# Altium PCB Tigershark 3D R2.3 - TR.PcbDoc (part 2 of 4)
Units mil, origin at the board's own origin, x right, y up, seen from the top; angles counter-clockwise.
Board outline 4100 x 4050 mil, 4 copper layers (Top Layer, Groun Plane, Power Plane, Bottom Layer), stack 61.73 mil thick; 370 components, 239 nets, 1161 pads, 1014 vias.
Unrouted connection lines stored in the file: 1.
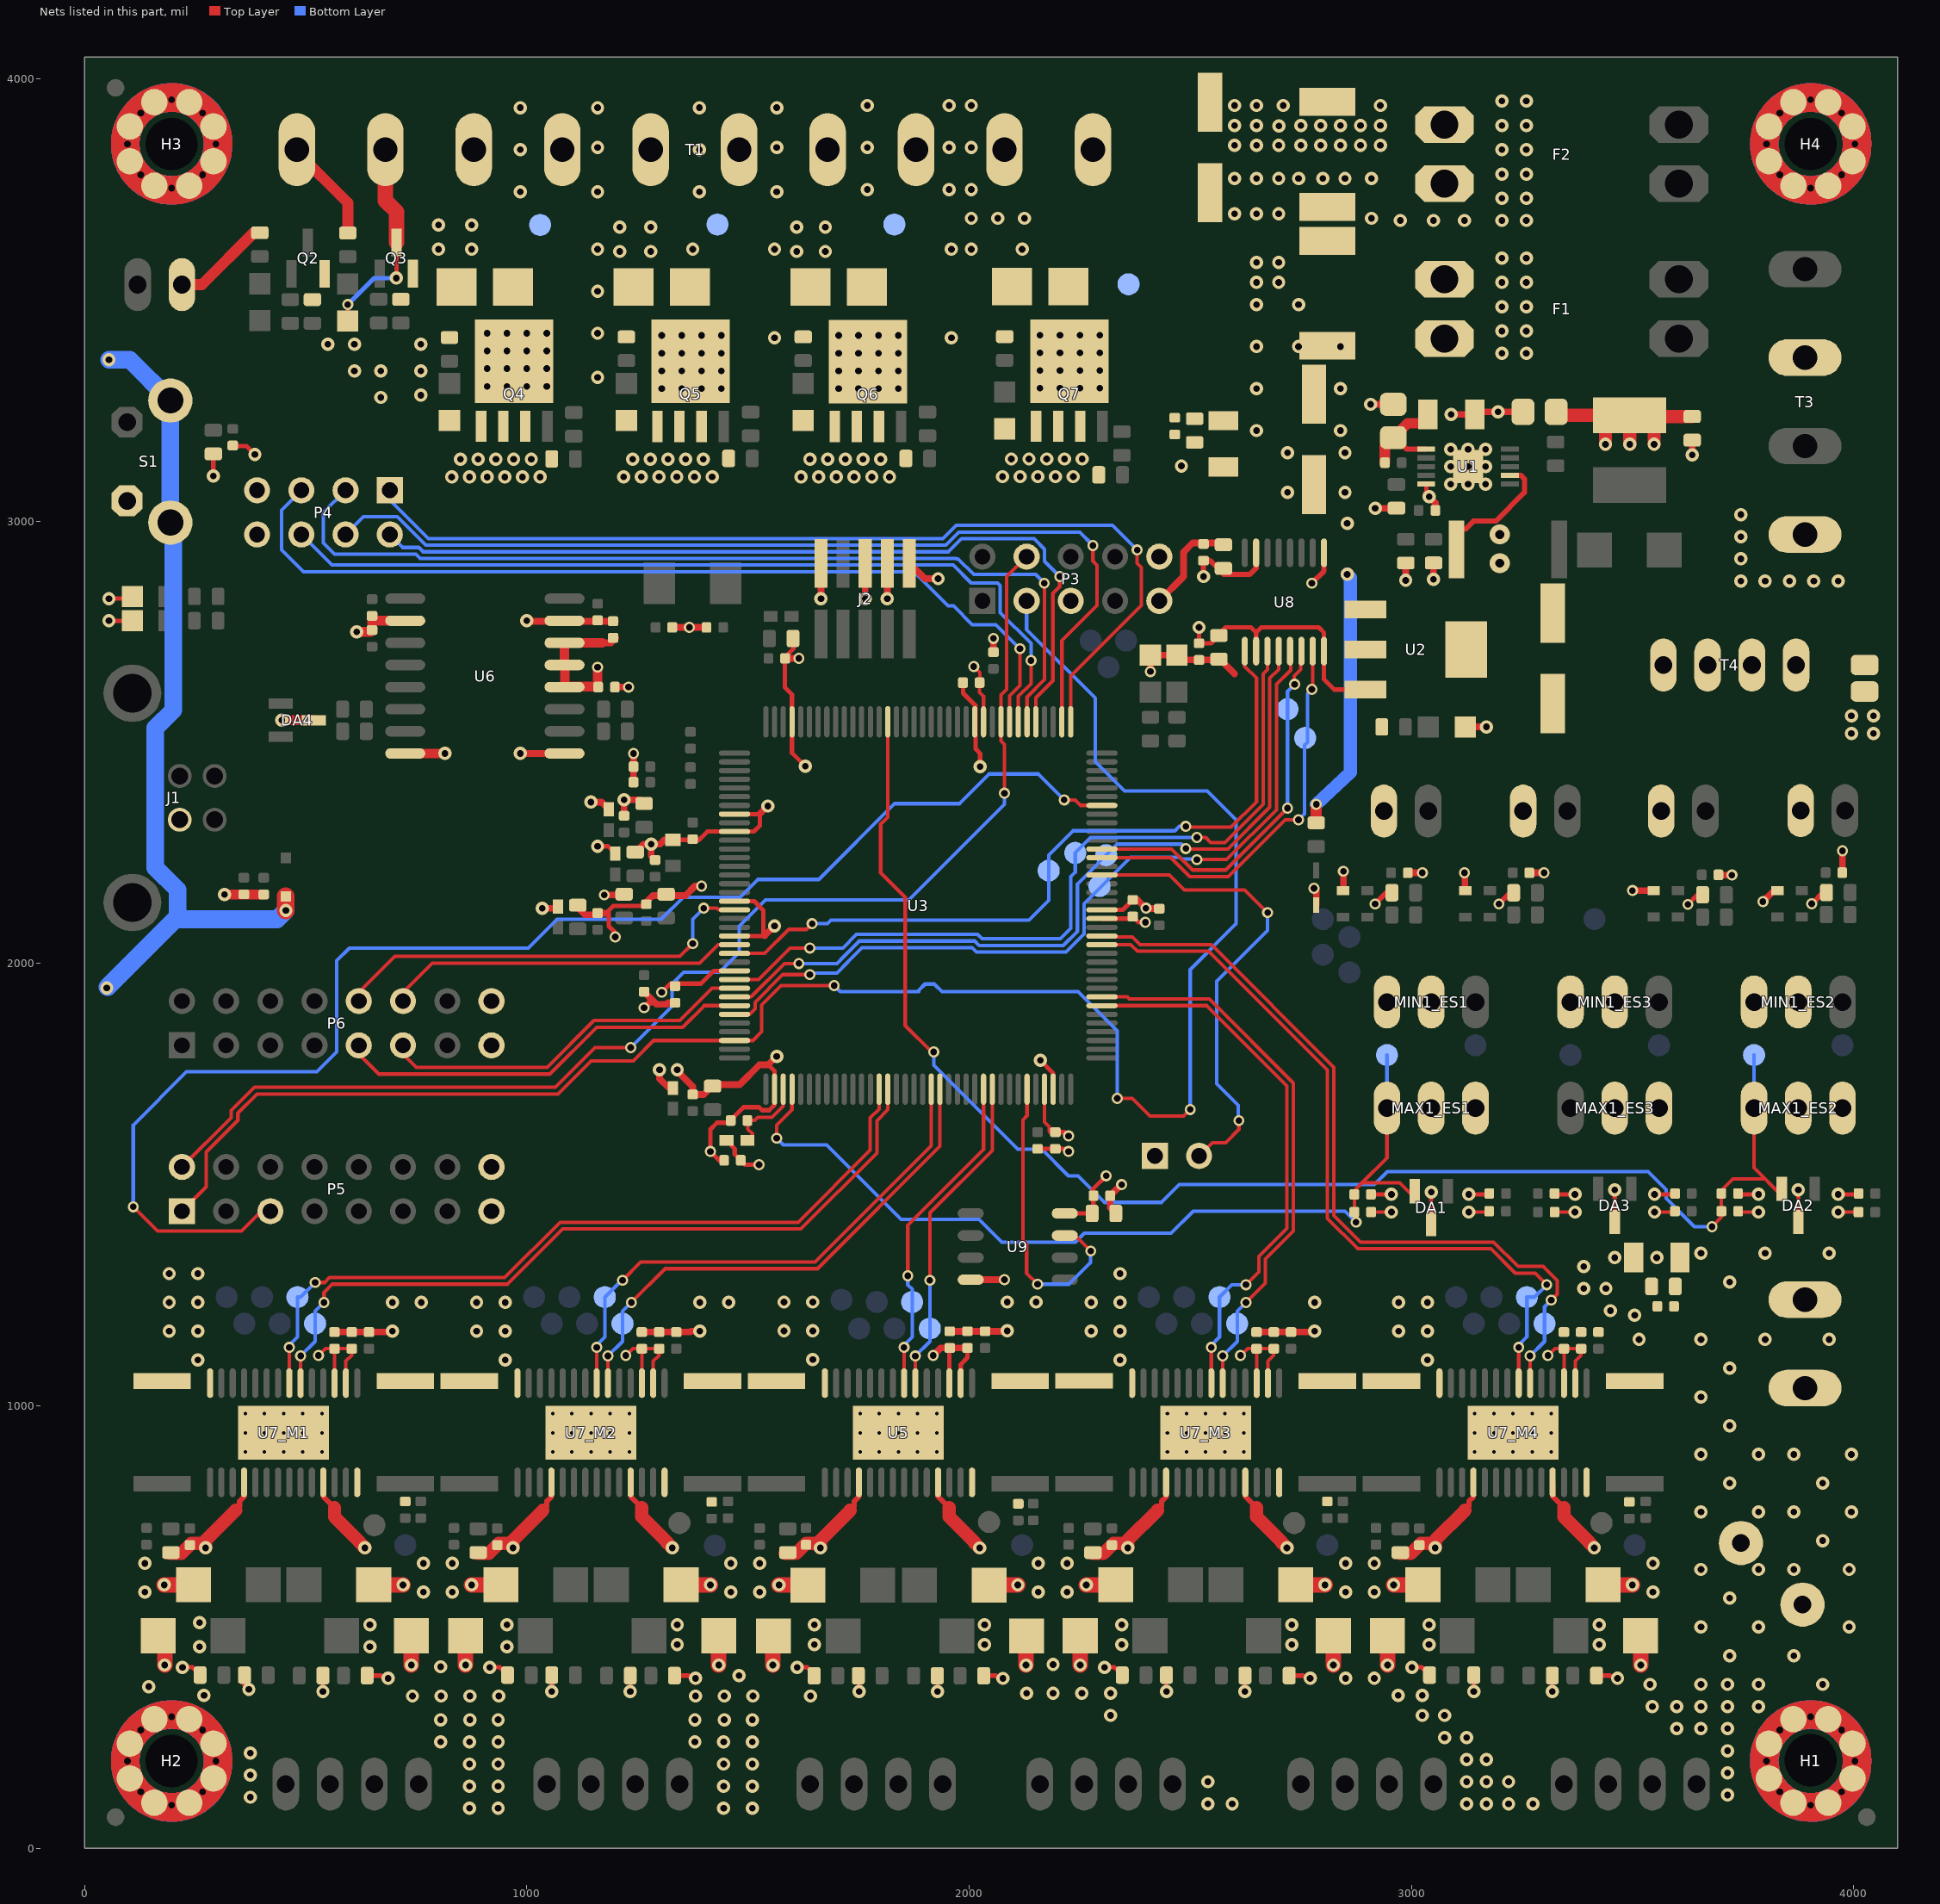
[diagram p4: the nets of this part, all layers, seen from the top]

## Part data
C1_ES1 C1_ES2 C1_ES3 C2_ES1 C2_ES2 C2_ES3: library part CC0402KRX7R8BB472, "CAP CER 0402 4.7nF 25V 10% X7R"
C3_M1 C3_M2 C3_M3 C3_M4 C5_M1 C5_M2 C5_M3 C5_M4 C6_M1 C6_M2 C6_M3 C6_M4 C8_M1 C8_M2 C8_M3 C8_M4 C52 C62 C67 C72: library part CC0603ZRY5V6BB105, "CAP CER 0603 1uF 10V Y5V"
C7: library part UPW1H471MHD1TO, "CAP ALU 470uF 50V 20%"
C9: library part C1206C475K5PACTU, "CAP CER 1206 4.7uF 50V 10% X5R"
C10: library part GRM21BR71H105KA12L, "CAP CER 0805 1uF 50V 10% X7R"
C11 C35 C40 C66_M1 C66_M2 C66_M3 C66_M4: library part C0603C104K5RACTU, "CAP CER 0603 100nF 50V 10% X7R"
C12_M1 C12_M2 C12_M3 C12_M4 C14_M1 C14_M2 C14_M3 C14_M4 C51 C63 C69 C70 C75_M1 C75_M2 C75_M3 C75_M4: library part "100nF C0402 - GRM155R71C104KA88D", "Capacitor (Semiconductor SIM Model)"
C13 C17 C25 C28 C29 C32 C36 C55 C60: library part C1608JB0J106K080AB, "CAP CER 10UF 6.3V 10% JB 0603"
C15 C16 C18: "CAP ALUM 100UF 35V 20% SMD"
C20 C26: library part GRM155R71C104KA88D, "CAP CER 0.1UF (100nF) 16V 10% X7R 0402"
C21: library part C0805C106K8PACTU, "CAP CER 0805 10uF 10V 10% X5R"
C22: library part GRM155R60J105KE19D, "CAP CER 0402 1uF 6.3V 10% X5R"
C23 C27 C30_TR1 C30_TR2 C30_TR3 C30_TR4 C33 C34 C37 C38 C39 C41 C42 C45 C46 C47 C48 C53 C54 C56 C57 C58 C59 C61 C64 C65 C74: library part GRM155R71C104KA88D, "CAP CER 0402 100nF 16V 10% X7R"
C24 C50 C71_M1 C71_M2 C71_M3 C71_M4: library part GRM155R60J474KE19D, "0.47uF 6.3v C0402 - GRM155R60J474KE19D"
C43 C44: library part CL05C100JB5NNNC, "CAP CER 10PF 50V 5% NP0 0402"
C49 C68_M1 C68_M2 C68_M3 C68_M4: library part GRM155R71H103JA88D, "CAP CER 10000PF 50V X7R 0402"
C73: library part CL05C220JB5NNNC, "CAP CER 22PF 50V 5% NP0 0402"
C77 C80: library part CL31A106KBHNNNE, "CAP CER 10UF 50V 10% X5R 1206"
C78 C81: library part CL10B104KB8SFNC, "CAP CER 0.1UF 50V 10% X7R 0603"
C79 C82: library part CL05B103JB5NNNC, "CAP CER 10000PF 50V 5% X7R 0402"
D1: library part "D Zener", "Zener Diode"
D2: library part SK310A, "DIODE Schottky 3A SMA"
D3_TR1 D3_TR2 D3_TR3 D3_TR4 D5_TR1 D5_TR2 D5_TR3 D5_TR4: "DIODE SOD523"
D4 D6: "DIODE DO-214AB"
D8: "DIODE TVS"
D10 D11 D13 D14 D16 D18 D24 D29 D30 D31: "LED 0805 Yellow"
D12 D15 D17 D19: library part "D Schottky", "Schottky Diode"
D20_M1 D20_M2 D20_M3 D20_M4 D21_M1 D21_M2 D21_M3 D21_M4 D22_M1 D22_M2 D22_M3 D22_M4 D23_M1 D23_M2 D23_M3 D23_M4 D25 D26 D27 D28: "DIODE TVS 30V SMA"
DA1 DA2 DA3 DA4: "PESDxL2BT TVS Diode Array 2x"
F1 F2: "FUSE PTH ATO"
J2: library part "ARM Cortex JTAG-DEBUG Header"
JP1: "SMD solder jumper"
L1: "IND 15uH 3.9A 20%"
LED1: "LED 0805 Green"
M1_M1 M1_M2 M1_M3 M1_M4 M2 M3 T4: library part "Molex 0705430003 Alt", "Molex 4 Pin Clip Connector"
MAX1_ES1 MAX1_ES2 MAX1_ES3 MIN1_ES1 MIN1_ES2 MIN1_ES3: library part "Molex Endstop"
P1: library part "Header 2", "Header, 2-Pin"
P3: "Header, 5-Pin, Dual row"
P4: "Header, 4-Pin, Dual row"
P5 P6: "16 Pos 2.54mm Pin Connector Shrouded"
Q2 Q3 Q4 Q5 Q6 Q7: "N-Channel MOSFET"
R1 R7 R10 R12 R21: library part ERJ-3EKF1002V, "RES 0603 10K 100mW 1%"
R2_ES1 R2_ES2 R2_ES3 R3_ES1 R3_ES2 R3_ES3: library part ERJ-2GEJ272X, "RES SMD 2.7K OHM 5% 1/10W 0402"
R4: library part Res3, "Resistor"
R5 R22: library part ERJ-2RKF39R0X, "RES SMD 39 OHM 1% 1/10W 0402"
R6 R46 R55 R59 R63 R67 R71: library part RC0603FR-07100KL, "RES 100K OHM 1/10W 1% 0603 SMD"
R9: library part RL2512FK-070R06L, "RES 0.06 OHM 1W 1% 2512 SMD"
R11 R25 R26 R27 R28: library part ERJ-3EKF1001V, "RES 0603 1K 100mW 1%"
R13 R47 R56 R60 R64 R68: library part RC0603JR-071K8L, "RES 0603 1.8K 100mW 5%"
R14_TR1 R14_TR2 R14_TR3 R14_TR4 R19_TR1 R19_TR2 R19_TR3 R19_TR4: library part ERJ3EKF4701V, "RES 0603 4.7K 100mW 1%"
R15 R16 R18 R20: library part RC1608F240CS, "RES SMD 24 OHM 1% 1/10W 0603"
R17: library part CRCW0402200KFKED, "RES 0402 22r 63mW 1%"
R23: library part CRCW04026K80FKED, "RES SMD 6.8K OHM 1% 1/16W 0402"
R24 R30_M1 R30_M2 R30_M3 R30_M4 R36: library part ERJ2GEJ105X, "RES 0402 1M 100mW 5%"
R31_M1 R31_M2 R31_M3 R31_M4 R37: library part ERJ-2RKF2701X, "RES SMD 2.7K OHM 1% 1/10W 0402"
R32_M1 R32_M2 R32_M3 R32_M4 R33_M1 R33_M2 R33_M3 R33_M4 R38 R39: library part CSRN2512FTR100, "RES SMD 0.1 OHM 1% 2W 2512"
R45 R52 R58 R62 R66 R70: library part CRCW060310R0FKEA, "RES 0603 10r 100mW 1%"
S1: library part 1571610-2_1, "SWTCH Momentary Washable"
T1: library part "0395311010 - Molex 10 Position Connector", "MSBTV10 10 port connector same as RAMBo"
T2: library part con-phoenix-508_2
T3: library part con-phoenix-508_4
TP1_M1 TP1_M2 TP1_M3 TP1_M4 TP2 TP3 TP6 TP7 TP8 TP9_ES1 TP9_ES2 TP9_ES3 TP10_ES1 TP10_ES2 TP10_ES3 TP11 TP12 TP13 TP14 TP15 TP16 TP17 TP18 TP19 TP20 TP21 TP32_M1 TP32_M2 TP32_M3 TP32_M4 TP33_M1 TP33_M2 TP33_M3 TP33_M4 TP35_M1 TP35_M2 TP35_M3 TP35_M4 TP36_M1 TP36_M2 TP36_M3 TP36_M4 TP37_M1 TP37_M2 TP37_M3 TP37_M4 TP38 TP39_M1 TP39_M2 TP39_M3 TP39_M4 TP40_M1 TP40_M2 TP40_M3 TP40_M4 TP43 TP44 TP45 TP46 TP47 TP52_TR1 TP52_TR2 TP52_TR3 TP52_TR4: library part Socket, "Socket"
U1: library part LM25011, "REG BUCK"
U5 U7_M1 U7_M2 U7_M3 U7_M4: "DRV8825 Ti Stepper Driver"
U6: "USB Opto Isolator"
U8: library part TXB0106, "TXB0106 - Bidriectional Opendrain/pushpull level shift"
X2: library part XTAL, "Crystal Oscillator"

## Via types
v1: diameter 30, hole 15, Top Layer to Bottom Layer, tented both sides, 607 vias
v2: diameter 25, hole 15, Top Layer to Bottom Layer, tented both sides, 232 vias
v3: diameter 19.68, hole 7.87, Top Layer to Bottom Layer, 75 vias
v4: diameter 30, hole 15, Top Layer to Bottom Layer, tented bottom, 64 vias
v5: diameter 25, hole 15, Top Layer to Bottom Layer, 24 vias
v6: diameter 30, hole 15, Top Layer to Bottom Layer, 9 vias
v7: diameter 45, hole 20, Top Layer to Bottom Layer, tented both sides, 2 vias
v8: diameter 25, hole 15, Top Layer to Bottom Layer, tented bottom, 1 vias

## Nets (pads, with @x,y where several pads share a name; then routed paths per layer and width w, separated by ;. In a path a pad name is that pad's centre, name@x,y a point inside that pad or via, vN(x,y) a via of type N, cw(c..) or ccw(c..) an arc to the next point about the centre after c; other vN are vias at no path point)
3.3VCC: C12_M1.2 C12_M2.2 C12_M3.2 C12_M4.2 C14_M1.2 C14_M2.2 C14_M3.2 C14_M4.2 C18.1 C25.2 C26.2 C29.2 C34.1 C45.1 C46.1 C47.1 C48.1 C56.1 C64.1 C69.2 C70.2 C74.1 FB5.1 FB6.1 FB7.1 FB8.1 FB9.1 J2.1 MAX1_ES1.3 MAX1_ES2.3 MAX1_ES3.3 MIN1_ES1.3 MIN1_ES2.3 MIN1_ES3.3 P1.1 P3.10 P4.8 P5.16 P6.16 R2_ES1.2 R2_ES2.2 R2_ES3.2 R3_ES1.2 R3_ES2.2 R3_ES3.2 R6.2 R11.2 R19_TR1.2 R19_TR2.2 R19_TR3.2 R19_TR4.2 R21.2 T4.1 U2.3 U3.11 U3.62 U3.105 U3.125 U5.16 U5.17 U6.12 U6.13 U6.14 U7_M1.16 U7_M1.17 U7_M2.16 U7_M2.17 U7_M3.16 U7_M3.17 U7_M4.16 U7_M4.17 U8.2 U8.8 U9.8 | length 3780.5
  Top Layer w8: v2(528.74,1113.74) 544.74,1129.74 C12_M1.2@563.74,1129.74 ; U7_M1.17@565.16,1052.2 565.16,1128.32 C12_M1.2@563.74,1129.74 ; U7_M1.16@588.74,1054.21 590.75,1052.2 590.75,1100.75 603.74,1113.74 C14_M1.2@603.74,1128.74 ; C14_M1.2@603.74,1129.74 C12_M1.2@563.74,1129.74 ; R6.2@1211.77,2155 R6.2@1215,2151.77 ; v2(1223.74,1113.74) 1239.74,1129.74 C12_M2.2@1258.74,1129.74 ; U7_M2.17@1260.16,1052.2 1260.16,1128.32 C12_M2.2@1258.74,1129.74 ; U7_M2.16@1283.74,1054.21 1285.75,1052.2 1285.75,1100.75 1298.74,1113.74 C14_M2.2@1298.74,1128.74 ; C14_M2.2@1298.74,1129.74 C12_M2.2@1258.74,1129.74 ; J2.1@1865,2904.92 J2.1@1865.08,2905 ; v2(2010.47,2671.46) 2024.47,2657.46 2024.47,2627.54 2023.56,2626.63 2023.56,2613.37 2032.64,2604.29 U3.11@2032.64,2546.46 ; U3.105@2170.43,1715.75 2170.43,1641.77 2181.1,1631.1 2181.1,1620.1 C45.1@2186.2,1615 ; v2(2613.74,1113.74) 2629.74,1129.74 C12_M3.2@2648.74,1129.74 ; U7_M3.17@2650.16,1052.2 2650.16,1128.32 C12_M3.2@2648.74,1129.74 ; U7_M3.16@2673.74,1054.21 2675.75,1052.2 2675.75,1100.75 2688.74,1113.74 C14_M3.2@2688.74,1128.74 ; C14_M3.2@2688.74,1129.74 C12_M3.2@2648.74,1129.74 ; R3_ES1.2@2909,1438.03 v1(2955,1438.03) ; v1(3130,1438.03) R2_ES1.2@3176,1438.03 ; v2(3308.74,1113.74) 3324.74,1129.74 C12_M4.2@3343.74,1129.74 ; R3_ES3.2@3324,1438.03 v1(3370,1438.03) ; U7_M4.17@3345.16,1052.2 3345.16,1128.32 C12_M4.2@3343.74,1129.74 ; U7_M4.16@3368.74,1054.21 3370.75,1052.2 3370.75,1100.75 3383.74,1113.74 C14_M4.2@3383.74,1128.74 ; C14_M4.2@3383.74,1129.74 C12_M4.2@3343.74,1129.74 ; v1(3550,1438.03) R2_ES3.2@3596,1438.03 ; R3_ES2.2@3739,1438.03 v1(3785,1438.03) ; v1(3965,1438.03) R2_ES2.2@4011,1438.03
  Top Layer w10: v1(291,3102) R21.2@291,3149.47 ; v1(1160,2265) 1183.62,2265 FB7.1@1200,2248.62 ; v2(1305,1935) 1324.5,1954.5 1393.54,1954.5 1422.51,1983.46 U3.62@1469.65,1983.46 ; FB9.1@1451.38,1600 1470,1581.38 1470,1569 1484,1555 1494,1545 v5(1525,1545) ; U5.17@1955.42,1051.94 C69.2@1955.42,1129.9 ; U5.16@1981.01,1051.94 1981.01,1093.49 1996.26,1108.74 C70.2@1996.26,1130.74 ; C45.1@2195,1618.7 2216.3,1618.7 v2(2225,1610) ; U9.8@2216.3,1435 C29.2@2278.23,1435 2281,1437.77 2281,1475 2280,1476 2280,1490 v2(2310,1520) ; U3.125@2300.35,2101.57 C46.1@2365.57,2101.57 ; C46.1@2371,2105 2383,2093 v2(2398.5,2093) ; v1(2520,2760) C26.2@2520,2724 2547.23,2724 C25.2@2565,2741.77 ; C25.2@2560,2740 2580,2760 2637.44,2760 2649.02,2748.42 ; U8.2@2649.02,2706.22 2649.02,2748.42 ; U2.3@2895.83,2619.45 2825.55,2619.45 2802.57,2642.43 U8.8@2802.57,2706.22 2802.57,2747.87 2790.44,2760 2660.61,2760 2649.02,2748.42 ; v2(3625.47,2133.7) 3647.24,2155.47 R19_TR4.2@3655.94,2155.47 ; R19_TR3.2@3935,2161.42 R19_TR3.2@3935.94,2160.47
  Top Layer w12: v2(2917.95,2134.53) 2943.42,2160 R19_TR2.2@2956.18,2160 ; v2(3197.95,2134.53) 3223.42,2160 R19_TR1.2@3231.18,2160 ; v2(3905.47,2135) R19_TR3.2@3933.44,2162.97
  Top Layer w15: v1(1035,2125) 1059.72,2125 FB5.1@1060,2124.72 ; v1(1145,2365) 1168.62,2365 FB8.1@1185,2348.62 ; 1170,2725 1190,2725 C56.1@1201,2736 ; v2(1175,2155) 1201.77,2155 1206.77,2150 R6.2@1211.77,2155 ; v1(1300,1760) 1300,1739.72 FB6.1@1320,1719.72 ; J2.1@1865.08,2905 1900.08,2870 v1(1930,2870) ; v5(1918.77,1113.71) 1935.8,1130.74 C69.2@1956.26,1130.74 C70.2@1996.26,1130.74 ; C46.1@2370,2106 C46.1@2371,2105
  Top Layer w22: v2(1160,2670) 1160,2626 1086.12,2626 1086.12,2674 U6.13@1085.12,2675 U6.14@1085.12,2725 1170,2725
+5VCC: C11.1 C17.2 C20.2 C21.1 L1.2 R1.2 R7.2 R10.1 T4.2 U2.1 U8.15 | length 1318.9
  Top Layer w12: v1(2530,2875) C20.2@2530,2911 ; C20.2@2530,2916 2531.51,2915.49 2544.88,2911 2575.88,2880 2635,2880 2649.02,2894.02 U8.15@2649.02,2928.66
  Top Layer w15: v1(2918.31,3029.43) 2966.09,3029.43 R7.2@2966.32,3029.65 ; v1(3050.31,2868.43) R10.1@3050.31,2905.66
  Top Layer w25: R1.2@2785,2325.83 v2(2785,2360)
  Top Layer w30: C21.1@3335.98,3239.17 L1.2@3493.31,3239.17 ; v1(3439,3174) L1.2@3439,3234.17 ; v1(3494,3174) L1.2@3494,3238.48 ; v1(3549,3174) 3549,3239 3551.23,3236.77 C11.1@3635,3236.77
  Bottom Layer w30: v2(2785,2360) 2862,2432 2862,2873 v1(2855,2880)
  other v1: 2855,2995
+12VCC1: C7.1 C35.2 C66_M1.2 C66_M2.2 C66_M3.2 C66_M4.2 C80.1 C81.1 C82.2 R30_M1.2 R30_M2.2 R30_M3.2 R30_M4.2 R36.2 T2.1 U5.4 U5.11 U7_M1.4 U7_M1.11 U7_M2.4 U7_M2.11 U7_M3.4 U7_M3.11 U7_M4.4 U7_M4.11 | length 2331.6
  Top Layer w12: 341.26,763.74 350.26,772.74 350.26,784.25 360.43,794.42 U7_M1.4@360.43,827.8 ; U7_M1.11@539.57,827.8 539.57,795.43 565,770 ; 1036.26,763.74 1045.26,772.74 1045.26,784.25 1055.43,794.42 U7_M2.4@1055.43,827.8 ; U7_M2.11@1234.57,827.8 1234.57,795.43 1260,770 ; 1731.29,763.71 1740.29,772.71 1740.29,784.22 1750.46,794.39 U5.4@1750.46,826.76 ; U5.11@1929.6,827.76 1929.6,795.4 1955.03,769.97 ; 2426.26,763.74 2435.26,772.74 2435.26,784.25 2445.43,794.42 U7_M3.4@2445.43,827.8 ; U7_M3.11@2624.57,827.8 2624.57,795.43 2650,770 ; 3121.26,763.74 3130.26,772.74 3130.26,784.25 3140.43,794.42 U7_M4.4@3140.43,826.8 U7_M4.4@3140.43,827.8 ; U7_M4.11@3319.57,827.8 3319.57,795.43 3345,770
  Top Layer w30: C66_M1.2@193.74,666.18 218.7,666.18 241.26,688.74 263.74,688.74 v1(273.74,678.74) 273.74,696.22 341.26,763.74 ; 565,770 565,748.69 622.5,691.19 622.5,689.98 v1(633.74,678.74) ; C66_M2.2@888.74,666.18 913.7,666.18 936.26,688.74 958.74,688.74 v1(968.74,678.74) 968.74,696.22 1036.26,763.74 ; 1260,770 1260,748.69 1317.5,691.19 1317.5,689.98 v1(1328.74,678.74) ; C35.2@1583.77,666.15 1608.73,666.15 1631.29,688.71 1653.77,688.71 v1(1663.77,678.71) 1663.77,696.19 1731.29,763.71 ; 1955.03,769.97 1955.03,748.66 2012.53,691.16 2012.53,689.95 v1(2023.77,678.71) ; C66_M3.2@2278.74,666.18 2303.7,666.18 2326.26,688.74 2348.74,688.74 v1(2358.74,678.74) 2358.74,696.22 2426.26,763.74 ; 2650,770 2650,748.69 2707.5,691.19 2707.5,689.98 v1(2718.74,678.74) ; C66_M4.2@2973.74,666.18 2998.7,666.18 3021.26,688.74 3043.74,688.74 v1(3053.74,678.74) 3053.74,696.22 3121.26,763.74 ; 3345,770 3345,748.69 3402.5,691.19 3402.5,689.98 v1(3413.74,678.74)
  other v1: 870,90 935,90 1445,90 1510,90 2540,100 2595,100 3125,100 3170,100 3220,100 3275,100 375,115 3715,120 870,140 935,140 1445,140 1510,140 2540,150 3125,150 3170,150 3220,150 375,165 3715,170 870,190 935,190 1445,190 1510,190 3125,200 3170,200 375,215 3715,220 805,240 870,240 935,240 1380,240 1445,240 1510,240 3075,250 3125,250 3600,270 3655,270 3715,270 805,290 871.26,290 935,290 1380,290 1446.26,290 1510,290 2320,300 3025,300 3075,300 3545,320 3600,320 3655,320 3715,320 3785,320 741.26,343.74 806.26,343.74 871.26,343.74 936.26,343.74 1381.26,343.74 1446.26,343.74 1511.26,343.74 1641.26,343.74 270,345 2970,345 3025,345 2130,350 2190,350 2255,350 2320,350 145,365 3540,370 3655,370 3715,370 3785,370 2851.26,383.74 2916.26,383.74 1480,390 805,410 2190,415 3720,435 260,455 645,455 955,455 1340,460 1650,460 2035,460 2345,460 2730,460 3040,460 3425,460 3655,500 3785,500 645,505 955,505 1340,505 1650,505 2035,505 2345,505 2730,505 3040,505 3425,505 260,510 3720,565 136.26,578.74 766.26,578.74 831.26,578.74 1461.26,578.74 1526.26,578.74 2156.29,578.71 2221.29,578.71 2851.26,578.74 2916.26,578.74 3546.26,578.74 3655,630 3785,630 136.26,643.74 766.26,643.74 831.26,643.74 1461.26,643.74 1526.26,643.74 2156.29,643.71 2221.29,643.71 2851.26,643.74 2916.26,643.74 3546.26,643.74 3655,760 3785,760 3720,825 3655,890 3785,890 3720,955 3655,1020 3720,1085 3655,1150 3800,1150 3945,1150 3720,1280 3655,1345 3800,1345 3945,1345
+12VCC2: C9.1 C10.1 C16.1 C77.1 C78.1 C79.2 D6.C D12.2 D15.2 D17.2 F1.2 FAN-1.1 R13.2 R17.2 R47.2 R56.2 R60.2 R64.2 T1.1 T1.3 T1.5 T1.7 T4.3 U1.1 | length 632.5
  Top Layer w12: C10.1@2980.68,3171.95 2989.83,3162.8 U1.1@3033.83,3162.8
  Top Layer w24: R17.2@2940.31,3132.43 C10.1@2940.31,3170.02 ; C10.1@2959.31,3189.02 2991.72,3221.43 C9.1@3017.15,3221.43
  Top Layer w25: FAN-1.1@230,3535 265,3535 382.34,3652.34 R13.2@396,3652.34 ; T1.1@480,3810 T1.1@495,3795 ; T1.1@480,3835 595,3720 R47.2@595,3651.77
  other v1: 2650,3205 2840,3205 2650,3300 2840,3300 3205,3380 3260,3380 2650,3395 2745,3395 2840,3395 3205,3430 3260,3430 3205,3485 3260,3485 2650,3490 2745,3490 3205,3540 3260,3540 3205,3595 3260,3595 1210,3610 1280,3610 1610,3610 1675,3610 800,3615 875,3615 1210,3665 1280,3665 1610,3665 1675,3665 800,3670 875,3670
+12VCC3: C15.1 D4.C D19.2 F2.2 R68.2 T1.9
  other v1: 2005,3615 2120,3615 2975,3680 3050,3680 3120,3680 3205,3680 3260,3680 2005,3685 2065,3685 2125,3685 3205,3730 3260,3730 2005,3750 3205,3785 3260,3785 3205,3840 3260,3840 2005,3845 2600,3850 2650,3850 2700,3850 2750,3850 2795,3850 2840,3850 2885,3850 2930,3850 2700.72,3893.58 2600,3895 2650,3895 2750,3895 2795,3895 2840,3895 2885,3895 2930,3895 3205,3895 3260,3895 2005,3940 2600,3940 2650,3940 2710,3940 2930,3940 3205,3950 3260,3950
AVREF: C65.1 FB9.2 U3.75 | length 169
  Top Layer w8: C65.1@1499,1645 1515,1645 1522.31,1652.31 1554.56,1652.31 1579.88,1677.64 U3.75@1579.88,1715.75 ; C65.1@1500,1636 1500,1625 1510,1615 FB9.2@1510,1603.62
BED_PWM: TP38.1 U3.132 U8.7 | length 910.1
  Top Layer w8: U3.132@2300.35,2239.37 2456.18,2239.37 2499.05,2196.5 2586.5,2196.5 2715,2325 v2(2745,2325) ; U8.7@2775,2704.24 U8.7@2776.98,2706.22 v2@2776.98,2621.98
  Bottom Layer w8: v2(2745,2325) 2758.77,2338.77 2758.77,2493.77 2765,2500 2765,2610 v2(2775,2620)
DIR1: TP39_M1.1 U3.87 U7_M1.20 | length 1761
  Top Layer w8: U7_M1.20@488.39,1052.2 v2(488.39,1112.64) ; v2(541.26,1233.74) 541.26,1256.26 560,1275 956.07,1275 1081.07,1400 1619.71,1400 1791.5,1571.79 1791.5,1644.73 1816.1,1669.34 U3.87@1816.1,1715.75
  Bottom Layer w8: v2(488.39,1112.64) 521.23,1145.48 TP39_M1.1@521.23,1185.77 521.23,1213.71 v2(541.26,1233.74)
DIR2: TP39_M2.1 U3.93 U7_M2.20 | length 1176.6
  Top Layer w8: U7_M2.20@1183.39,1052.2 v2(1183.39,1112.64) ; v2(1236.26,1233.74) 1312.52,1310 1657.43,1310 1934.21,1586.79 U3.93@1934.21,1715.75